# Altium PCB MotherBoard.PcbDoc (part 1 of 10) (continued)
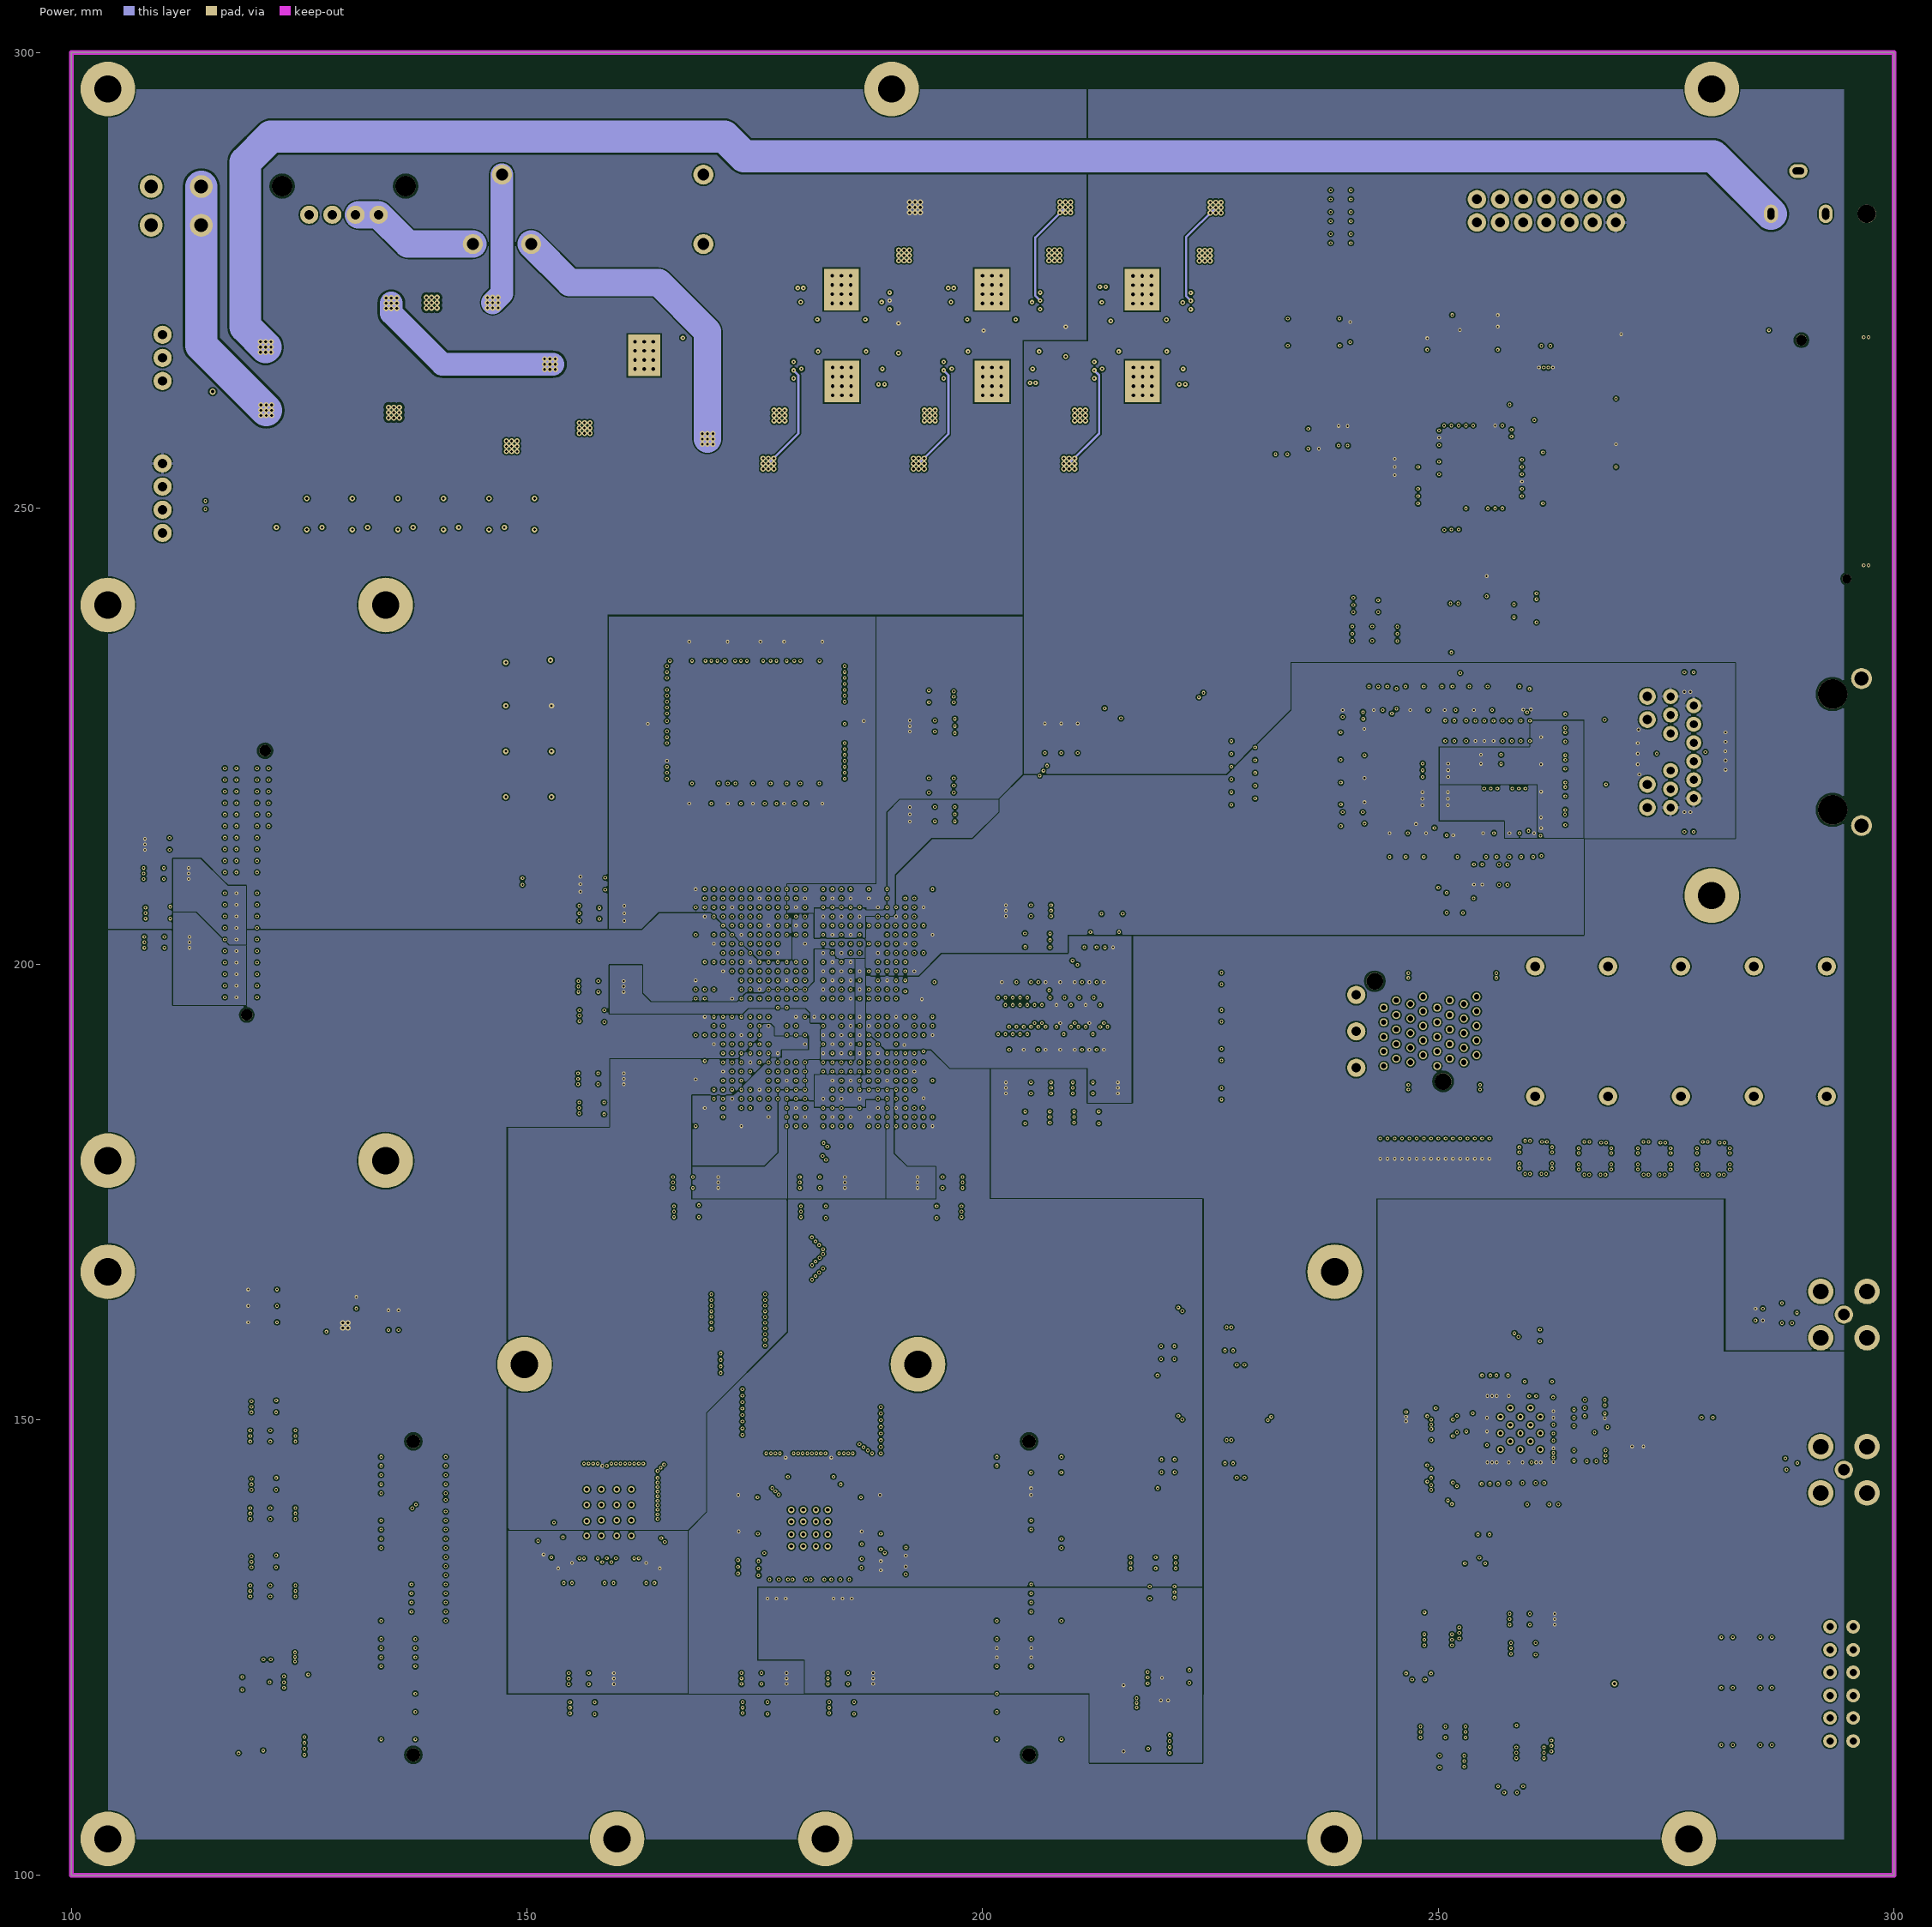
[diagram p4: Power]
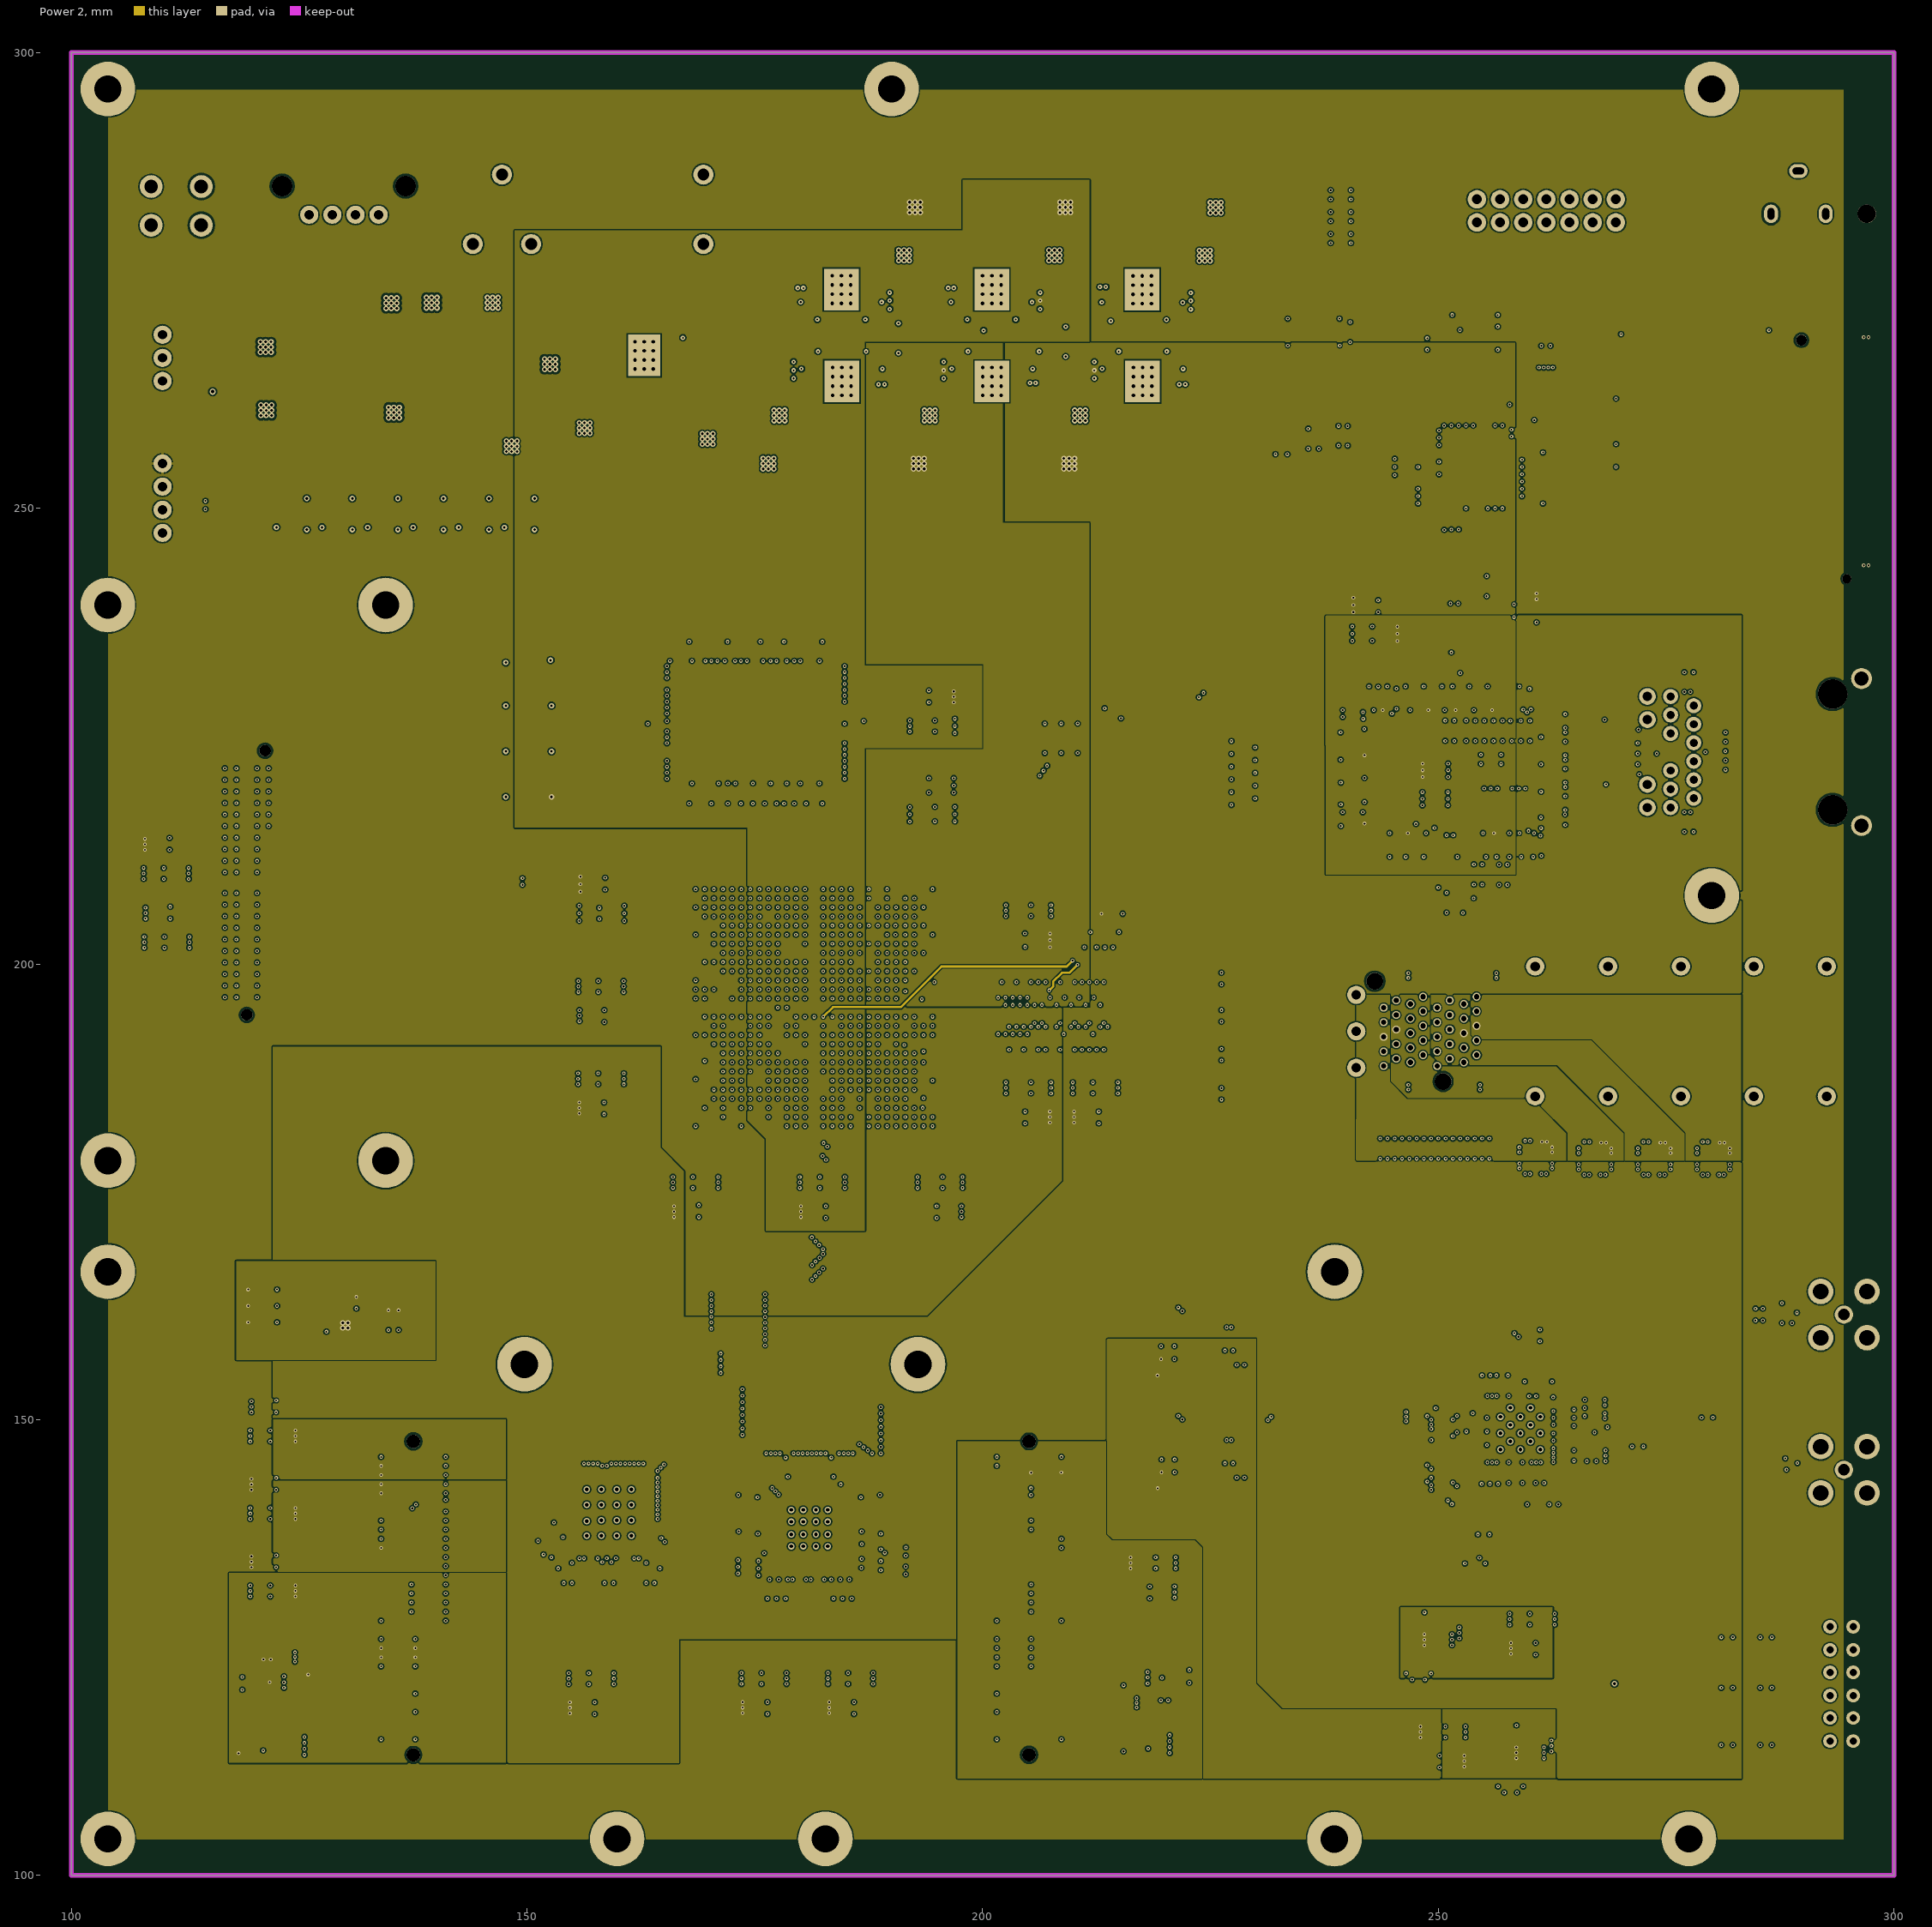
[diagram p5: Power 2]
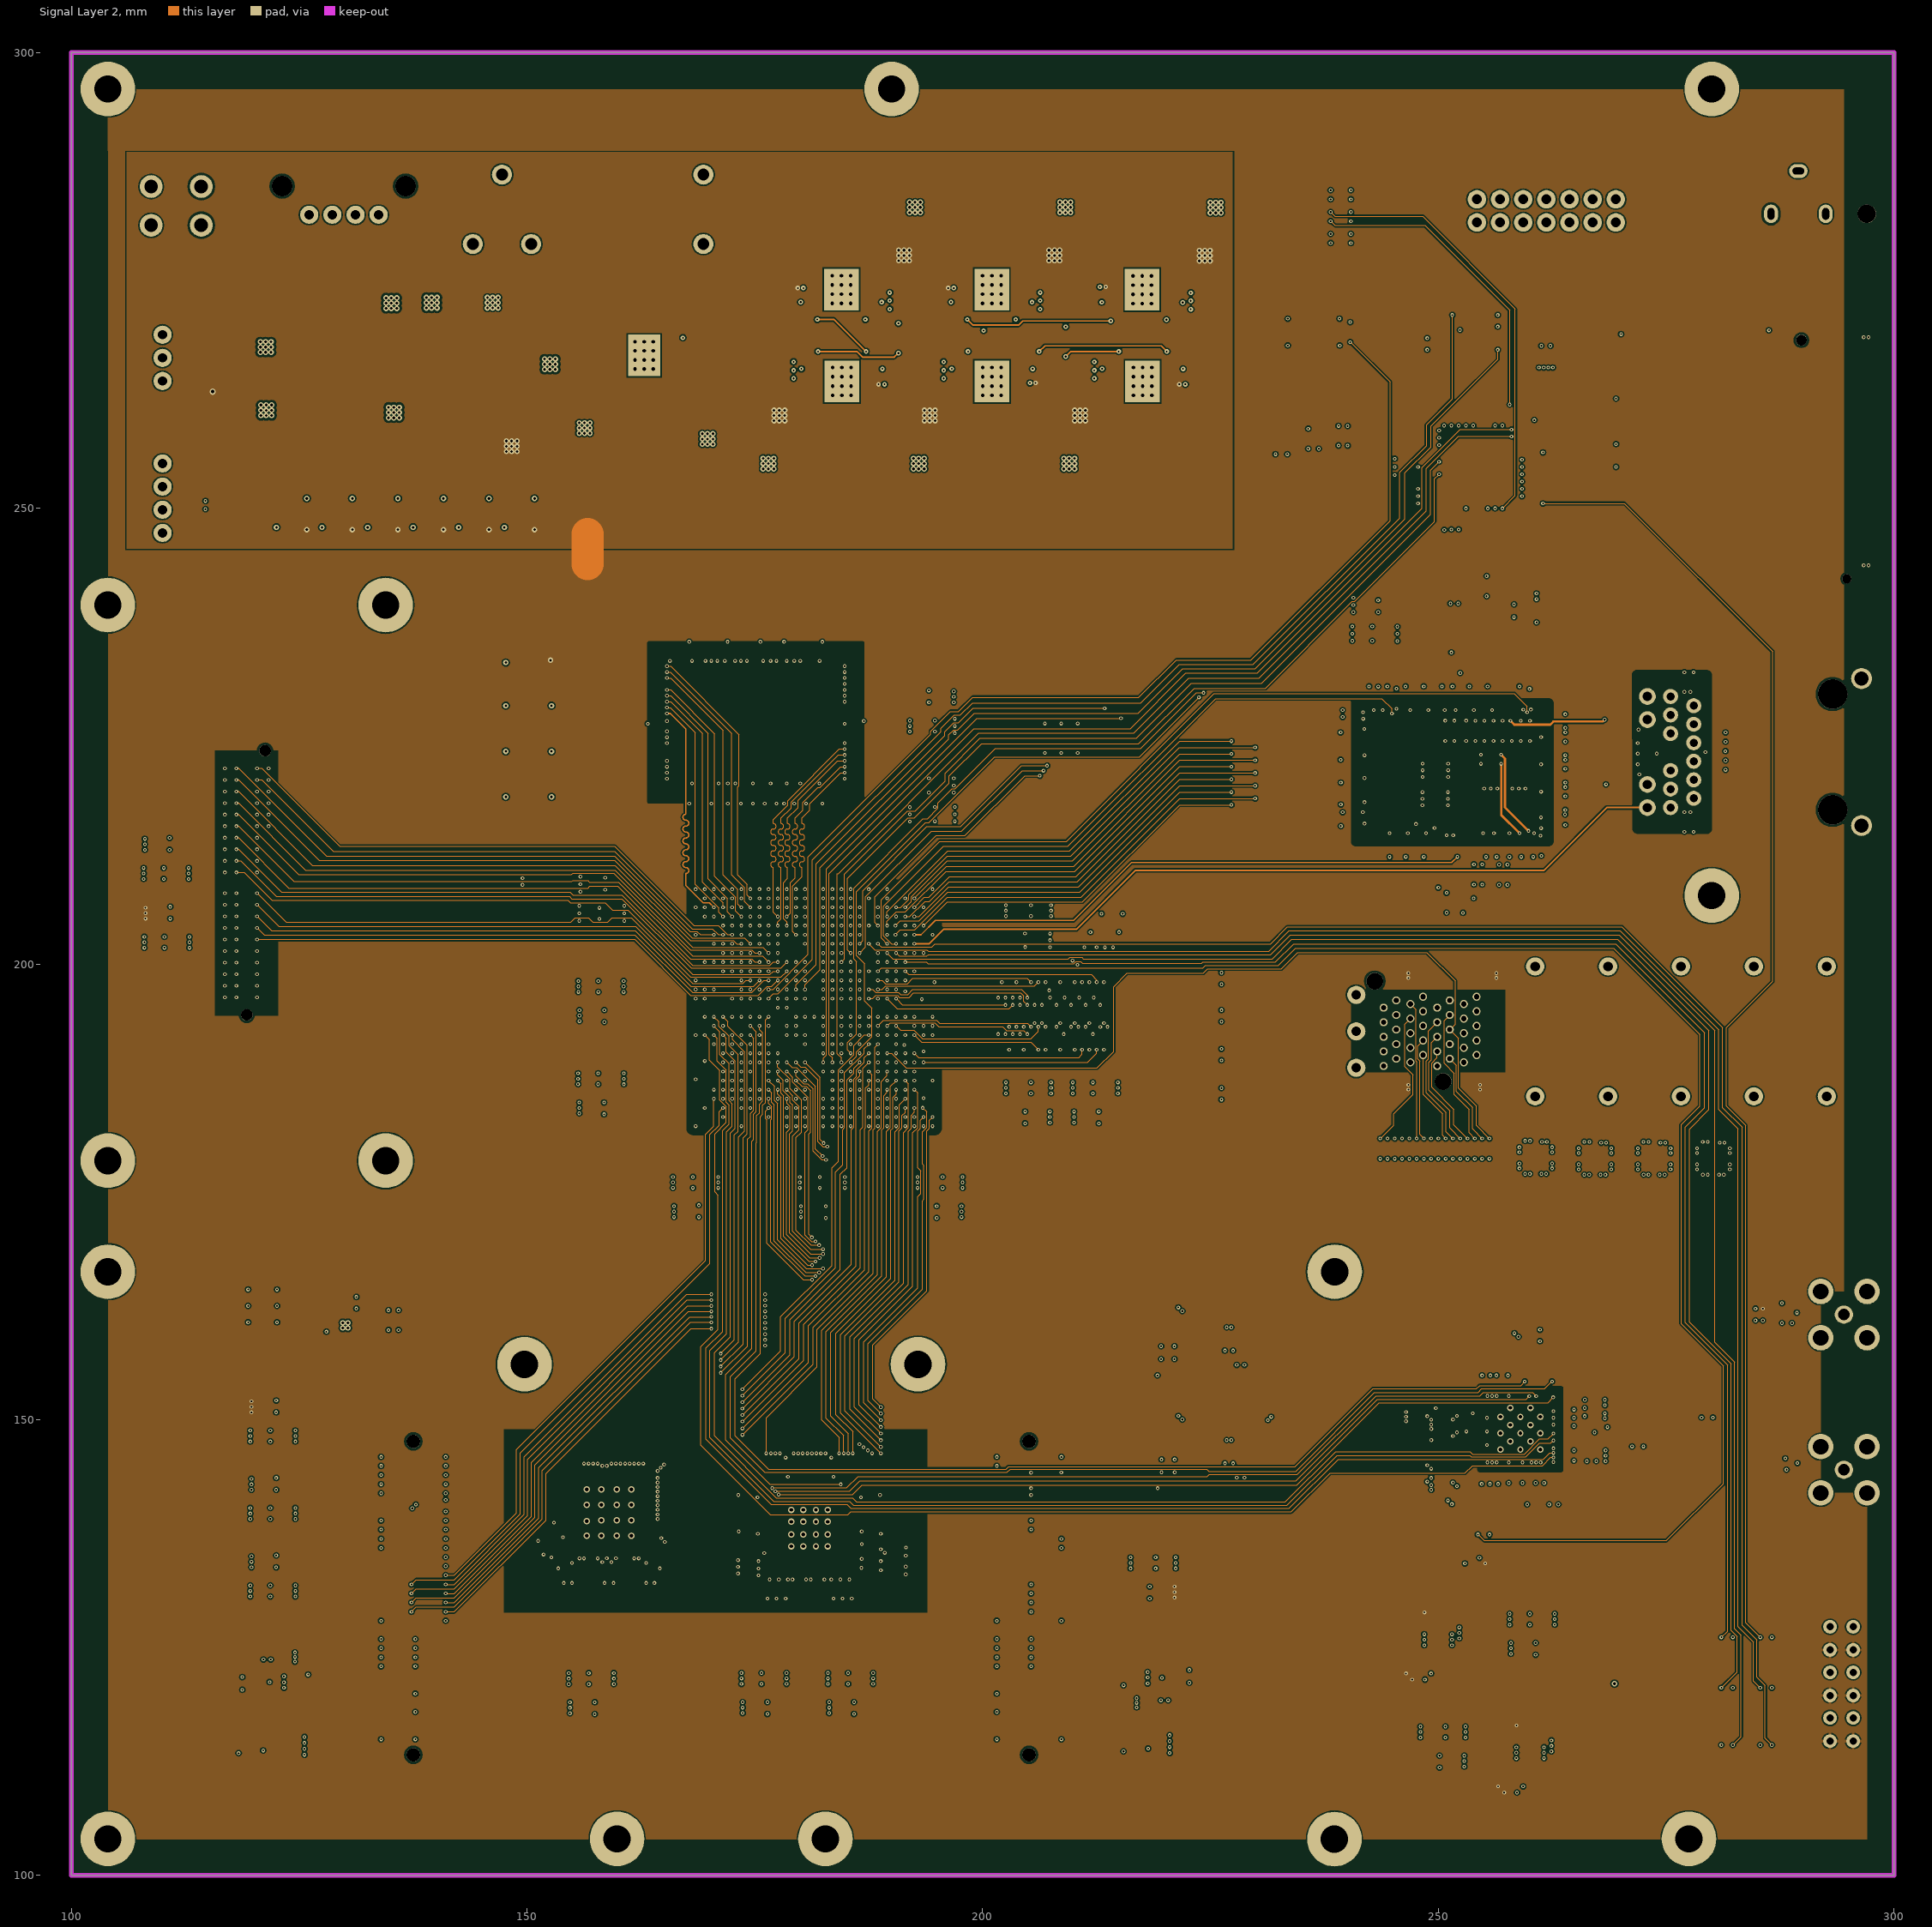
[diagram p6: Signal Layer 2]